# Allegro board RK3588S_Tablet_Demo_LP4XD200P232SD10H2_V11_20220218.brd (continued)
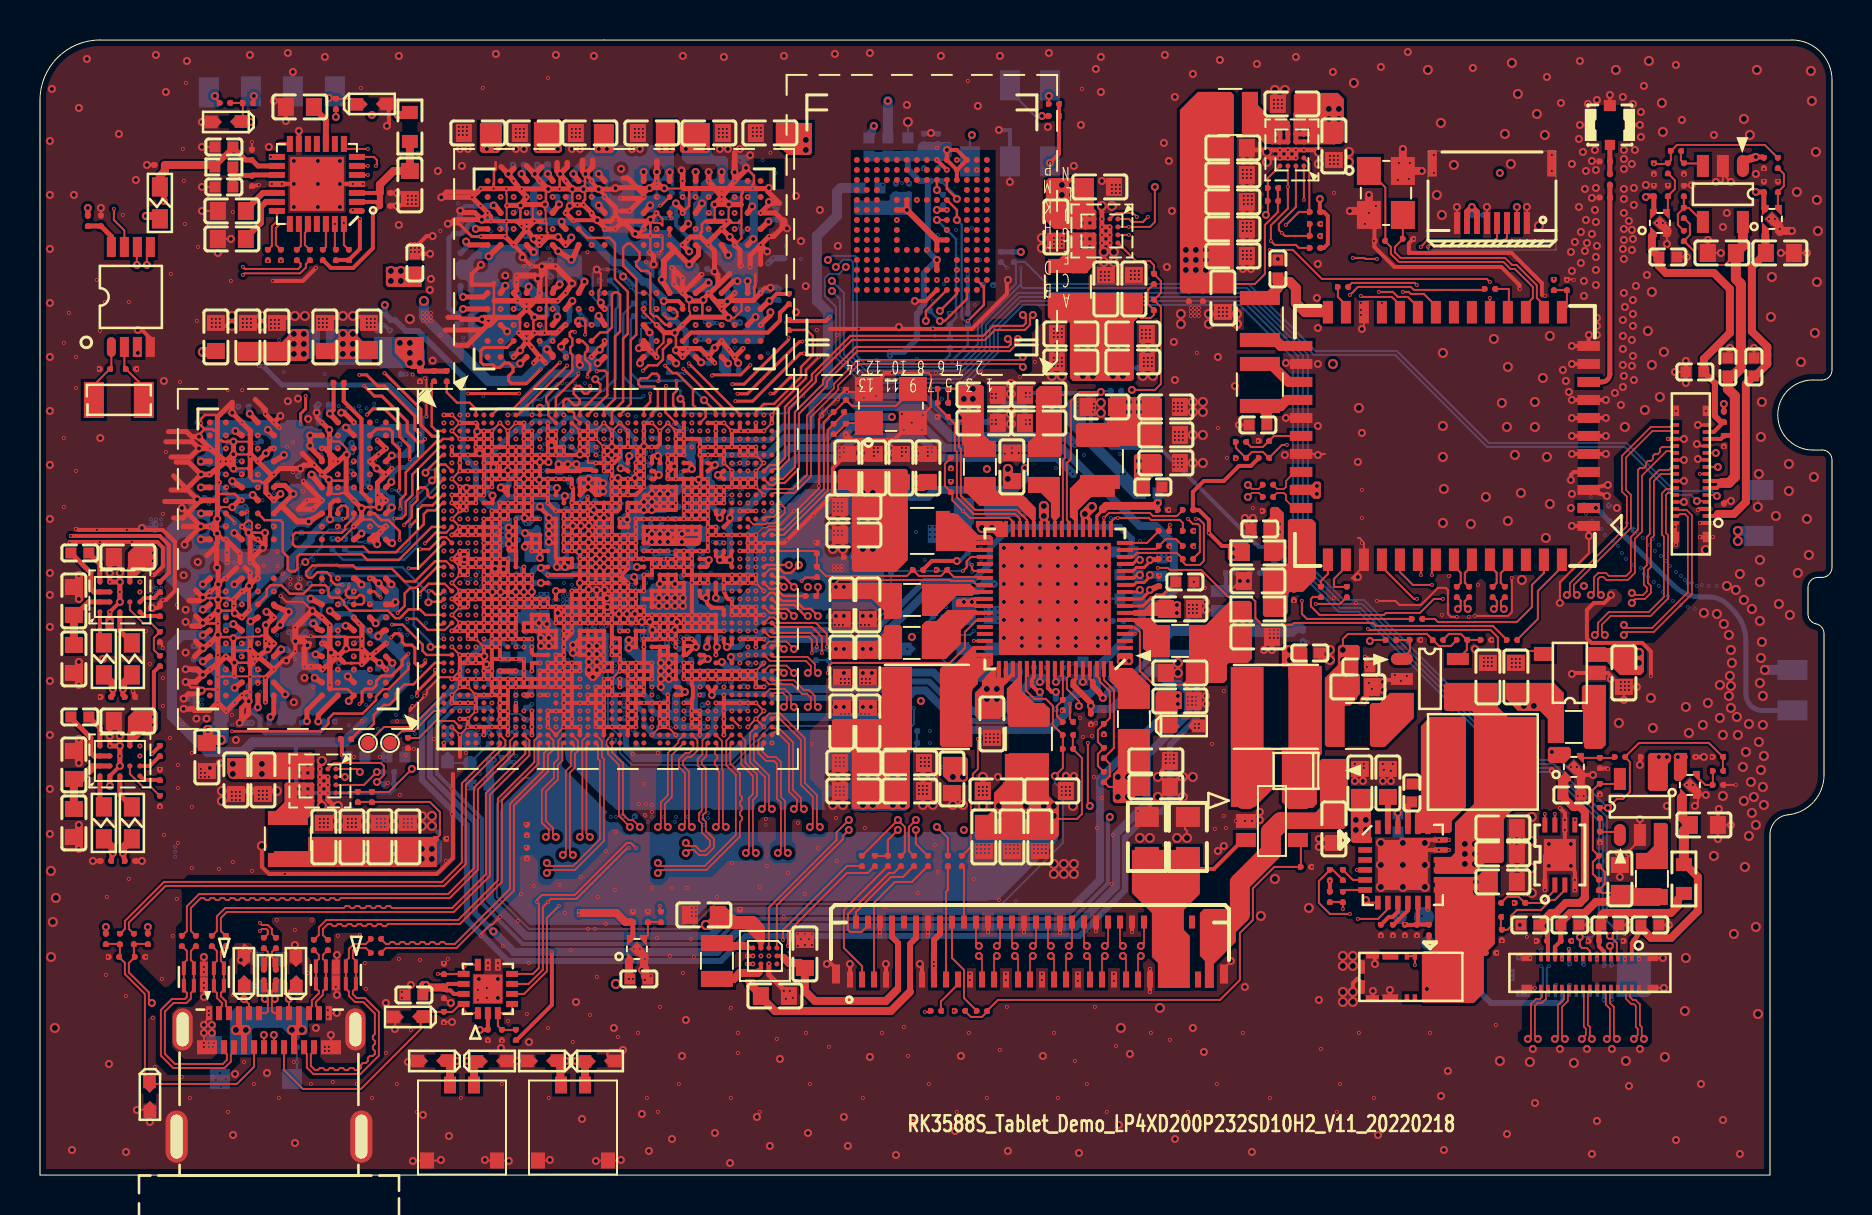
[diagram p0: board, top side]
## Routing (per net, layer and track width the routed paths; a pad name or vN(x,y) marks a point on that pad's centre or on a via; arc(x,y) is an arc through that point) (continued)
  TOP w0.127: v5(26.62,49.29) 26.62,48.58 26.54,48.5 ; 11.29,34.63 11.09,34.63 11.02,34.69 10.66,34.69 10.52,34.84 10.52,34.94 ; v5(31.8,41.24) 31.8,42.03 31.74,42.08 v5(31.74,42.12) ; 8.23,37.29 7.99,37.05 7.99,36.96 v5(7.95,36.91) ; 8.23,37.29 8.62,37.29 8.69,37.23 8.87,37.23 ; 8.23,37.29 8.04,37.48 v1(8.04,37.59) 8.04,37.8 8.24,38 8.76,38 8.87,37.9 ; v6(16.09,26.82) 16.02,26.89 15.36,26.89 15.31,26.84 15.23,26.91 12.99,26.91 v5(12.77,26.69) ; v5(24.03,48.48) 24.02,48.47 24.02,47.62 ; 8.87,36.72 9.11,36.72 9.16,36.66 9.42,36.66 9.43,36.67 v5(9.67,36.67) ; v6(9.69,28.78) 9.49,28.78 9.42,28.85 8.98,28.85 v5(8.91,28.77) 8.83,28.85 8.17,28.85 v5(8.14,28.87) ; 22.7,43.69 22.72,43.71 ; 22.7,43.69 22.7,42.82 U3801.A3 ; 22.7,43.69 22.7,44.61 ; v6(23.93,42.1) 24,42.17 24,42.61 ; 15.59,25.59 16.03,25.59 v6(16.09,25.53) ; v5(25.24,48.53) 25.3,48.58 25.3,49.19 v5(25.41,49.3) ; v5(9.72,25.62) 9.73,25.61 10.57,25.61 ; v6(24.73,42.1) 24.67,42.17 24.67,42.81 24.72,42.86 v5(24.72,42.89) ; 33.35,47.68 33.24,47.68 33.1,47.54 33.1,47.17 33.03,47.11 33.03,46.9 ; v5(10.43,32.12) 10.75,32.12 10.76,32.11 v5(11.25,32.11) ; 33.12,42.89 33.12,43.7 v5(33.17,43.75) ; v5(35.3,50.36) 35.7,49.96 35.7,49.57 35.63,49.51 v1(35.63,49.32) ; 32.46,49.32 32.46,48.45 32.13,48.13 ; 24,42.97 24,42.65 ; v6(22.68,49.32) 22.68,49.55 22.7,49.57 22.7,50.18 22.78,50.27 22.78,50.64 ; v6(25.22,42.1) 25.3,42.18 25.3,42.84 25.24,42.89 25.32,42.96 25.32,45.21 v5(25.09,45.43) ; v5(8.91,28.21) 9.62,28.21 9.69,28.14 ; v5(27.28,50.05) 27.25,50.03 27.25,49.37 v5(27.17,49.29) 27.25,49.21 27.25,48.78 27.18,48.71 v6(27.18,48.5) ; 15.31,34.71 14.5,34.71 v5(14.44,34.77) ; v5(7.28,24.66) 7.56,24.38 7.93,24.38 v5(8.08,24.22) 8.15,24.29 8.62,24.29 8.64,24.28 v6(8.88,24.28) ; 15.55,25.59 15.23,25.59 ; v5(15.31,26.32) 15.33,26.32 15.39,26.26 16.03,26.26 v6(16.09,26.33) ; v5(26.01,50.05) 25.98,50.03 v1(25.98,49.3) ; v1(30.48,46.14) 30.52,46.18 v6(30.52,46.95) 30.52,47.43 30.53,47.44 v5(30.53,47.77) ; v5(8.89,27) 9.01,26.89 9.62,26.89 v5(9.67,26.84) ; v5(8.14,27.6) 8.17,27.58 v1(8.89,27.58) ; 35.72,43.79 35.72,44.39 35.76,44.43 35.76,45.02 ; 14.49,24.31 14.51,24.29 15.38,24.29 U3800.A3 ; 10.07,33.73 9.74,34.05 8.87,34.05 ; v5(16.96,33.39) 16.17,33.39 16.11,33.34 v5(16.08,33.34) ; 35.13,49.32 35.13,49.09 35.07,49.03 35.07,48.77 35.07,48.77 35.07,48.52
  TOP w0.15: v6(40.19,36.15) 40.34,36.15 C1060.2
  TOP w0.152: 15.59,25.59 15.55,25.59 ; 20.52,47.56 20.95,47.56 21.59,46.92 v6(22.05,46.92) ; 15.23,25.59 15.18,25.64 ; 24,42.65 24,42.61 ; 24,42.97 24.05,43.02
  TOP w0.2: 24.59,24.8 v1(24.19,24.8) 24.19,24.4 ; 24.59,24.8 24.99,24.8 24.99,24.4 ; 24.59,24.8 24.59,24.4 ; v6(32.99,33.6) 32.58,33.6 v6(32.19,33.6) ; 23.39,23.6 v1(22.99,23.6) ; 23.39,23.6 v6(23.39,23.2) ; 23.39,23.6 23.39,24 ; 82.77,20.9 v1(82.79,20.9) v5(83.19,20.9) ; 43.74,37.6 v6(44.14,38) 44.04,38 Y1100.2 ; 43.74,37.6 v6(44.09,37.25) ; 43.74,37.6 Y1100.2 ; v6(8.79,42.6) 8.79,42.45 v4(9.59,42.45) ; U1000.AF35 U1000.AG35 U1000.AJ35 33.79,26.45 v5(33.84,26.4) 33.79,26.4 v1(33.79,26) ; 10.59,49.43 C7003.2 10.64,49.45 v1(10.94,49.5) ; v1(81.79,31.5) 81.8,31.51 J4600.34 81.75,31.9 J4600.30 ; v6(27.39,28) v6(26.59,28) 26.59,28.8 ; 42,12.65 42,12.16 v1(41.99,12.15) v1(41.99,11.95) ; v5(76.59,37.85) U6300.7 v5(78.29,37.85) ; v1(55.49,10.3) 55.5,10.3 J5500.51 55.5,9.16 v1(55.49,9.15) ; v6(35.79,34.8) v1(35.39,34.8) ; v6(35.79,34.8) v6(35.79,34.4) v6(35.39,34.4) ; v6(35.79,34.8) v1(35.79,35.2) ; v1(35.39,34.8) v1(34.99,34.8) v6(34.99,34.4) v6(35.39,34.4) ; v1(35.39,34.8) v6(35.39,34.4) ; v6(35.79,31.6) v1(35.79,32) v1(35.39,32) ; v6(35.79,31.6) v6(35.39,31.6) ; v6(35.79,31.6) v6(36.19,31.6) ; v6(35.79,31.6) v6(35.79,31.2) ; v1(22.59,22.4) 22.19,22.4 ; 22.19,22.4 v6(21.79,22.4) ; 22.19,22.4 v1(22.19,22) ; v6(40.89,39.45) 41.29,39.45 Y1100.4 ; v6(32.59,24.8) v1(32.19,24.8) v3(32.19,25.2) ; v6(32.59,24.8) v6(32.99,24.8) ; v6(32.59,24.8) 32.59,24.47 32.64,24.42 32.64,23.85 32.59,23.8 32.59,23.6 ; v6(32.59,24.8) v6(32.59,25.6) v1(32.19,25.6) v3(32.19,25.2) ; v6(35.39,31.6) v1(35.39,32) ; v6(35.39,31.6) v6(35.39,31.2) ; v1(35.39,32) v1(34.99,32) ; v1(24.59,28.8) v1(24.19,28.8) ; v1(24.59,28.8) v1(24.99,28.8) ; v1(24.59,28.8) v5(24.59,29.15) ; v1(24.59,28.8) v1(24.59,28.4) v1(24.99,28.4) ; v5(27.86,47.74) 26.69,47.74 v6(26.67,47.72) ; 68.14,16.25 v4(68.14,16.6) 68.14,16.75 v1(69.94,16.75) v1(70.44,16.75) ; 68.14,16.25 v1(69.94,16.25) v1(70.44,16.25) ; 68.14,16.25 v4(68.14,15.5) ; v1(52.79,12.2) 52.8,12.21 52.8,12.65 ; v6(33.39,32.4) v6(33.39,32.8) v6(33.39,33.2) ; v6(33.39,32.4) v1(33.79,32.4) ; v6(33.39,32.4) v6(33.39,32) ; v1(82.99,32.6) J4600.1 v1(83.64,32.6) ; Y1100.2 v6(43.59,37.6) 43.54,37.6 v6(43.19,37.25) 42.69,36.75 40.59,36.75 40.32,37.03 40.29,37.03 v6(40.29,37) 40.29,36.85 ; Y1100.2 43.19,38.05 v6(43.09,38.05) ; v1(48.29,10.05) 48.3,10.05 J5500.27 48.29,9.77 v1(48.29,9.75) ; C1060.2 39.64,35.35 39.64,34.04 37.21,31.6 v6(36.19,31.6) ; v1(23.79,28) 23.79,27.59 ; 23.79,27.59 v6(23.79,27.2) ; 23.79,27.59 v1(23.39,27.59) ; v5(77.64,20) 77.17,20 77.07,19.9 ; v6(32.19,34.4) v1(32.19,32.8) ; v6(33.79,36.4) v6(34.19,36.4) ; v1(34.59,30) v1(34.99,30) ; v1(34.59,30) 34.19,30 ; v1(34.59,30) v1(34.59,29.6) v1(34.99,29.6) ; v1(34.99,30) v6(35.39,30) ; v1(34.99,30) v1(34.99,29.6) ; v4(57.64,38.15) 56.99,38.15 C2237.2 56.99,38.65 v4(57.64,38.65) ; v5(78.29,38.75) U6300.8 v5(76.59,38.75) ; v1(32.19,31.2) v1(32.19,30.4) v6(32.19,30) 32.99,30 ; v6(26.19,32.8) v6(26.19,32.4) ; v6(26.19,32.8) v6(26.19,33.2) ; v6(26.19,32.8) v6(26.59,32.8) ; v6(26.19,32.4) v5(26.64,32.45) ; v6(26.19,32.4) v6(26.19,32) ; 37.44,9 37.44,9.15 v6(37.49,9.2) ; v6(30.19,24.4) 30.19,25.39 v1(30.19,26.4) ; v6(30.19,24.4) v6(30.19,24) 29.61,24 v1(28.99,24) ; v6(30.19,24.4) v1(29.79,24.4) ; v6(34.99,28) v6(34.59,28) 34.59,28.42 v6(34.59,28.8) 34.39,28.8 34.33,28.87 v6(34.19,29.2) v6(34.19,29.6) 34.19,30 ; v6(34.99,28) v6(35.39,28) ; v6(34.99,28) v6(34.99,28.4) ; 24.19,24.4 24.59,24.4 ; 24.19,24.4 v6(23.79,24.4) ; 24.59,24.4 24.99,24.4 ; v1(33.39,24.8) v6(32.99,24.8) ; v6(32.99,24.8) v6(32.99,25.2) ; Y6300.2 66.72,48 66.72,46.4 67.72,45.4 73.07,45.4 73.97,44.5 73.97,44.3 ; v1(51.89,10.05) 51.9,10.05 J5500.39 51.89,9.77 v1(51.89,9.7) ; v5(19.5,46.06) 18.74,46.06 v6(18.74,46.15) v6(18.74,46.35) 18.74,46.36 18.74,46.36 19.33,46.95 v5(19.63,46.95) ; C9613.2 v6(37.19,9.2) ; C9613.2 37.54,8.95 v6(37.64,8.85) ; C9613.2 v6(37.29,8.8) ; v6(32.99,25.2) v1(33.39,25.2) ; v6(32.99,25.2) v6(32.59,25.2) v3(32.19,25.2) ; 80.02,20.9 80.02,20.53 v5(79.99,20.5) ; v1(25.39,28.4) v1(24.99,28.4) ; v1(24.99,28.4) v1(24.99,28.8) ; v6(34.19,22.4) v6(34.59,22.4) ; v6(34.19,22.4) v6(34.19,22.8) v6(34.19,23.2) v1(34.19,24) ; v6(34.19,22.4) v6(34.19,22) ; 32.99,30 v6(32.99,29.6) ; 32.99,30 33.39,30 ; v6(32.99,29.6) v6(33.39,29.6) 33.39,30 ; v6(32.99,29.6) v6(32.59,29.6) ; Y1100.4 41.44,39.55 v6(41.49,39.6) ; Y1100.4 41.79,39.3 42.14,40 42.24,40.1 v6(42.59,40.1) ; Y1100.4 41.19,39.05 v6(41.19,38.85) ; v6(34.99,13.3) 34.99,13.28 ; 30.59,25.2 v6(30.59,25.6) v1(29.79,25.6) ; 30.59,25.2 v1(30.59,24.8) v1(29.79,24.8) ; 30.59,25.2 v1(29.79,25.2) ; U6300.4 76.69,35.15 76.54,35 v5(76.54,34.75) ; v6(31.39,22.8) v6(31.39,22.4) v1(30.99,22.4) v1(30.99,22.8) ; v6(31.39,22.8) v6(31.39,23.2) ; v6(31.39,22.8) v1(30.99,22.8) ; v4(15.14,42.95) 15.14,42.87 14.24,42.87 C3808.2 ; v1(50.09,10.05) 50.1,10.05 J5500.33 50.09,9.77 v1(50.09,9.75) ; v6(35.39,28) v6(35.39,28.4) ; v6(35.39,28) v6(35.79,28) ; U1000.J31 32.59,34.8 ; 32.59,34.8 v1(32.59,34.4) ; 32.59,34.8 32.9,34.8 v5(32.93,34.77) 33.07,34.9 33.07,35.93 v1(32.99,36) ; v1(35.39,29.6) v6(35.79,29.6) v6(35.79,30) v6(35.39,30) ; v1(35.39,29.6) v6(35.39,30) ; v1(35.39,29.6) v1(34.99,29.6) ; v1(31.79,30.8) v1(31.79,31.2) ; v1(31.79,30.8) v1(31.79,30.4) ; v1(31.79,30.8) 31.81,30.82 v6(32.59,30.82) ; v1(31.79,30.8) v6(31.39,30.8) ; v6(33.39,31.2) v6(33.39,31.6) v6(33.39,32) ; U4000.A6 44.29,43.7 v5(43.74,43.7) ; v5(11.69,53.7) 12.14,53.7 12.29,53.55 C7015.2 v5(12.29,52.7) ; v5(78.54,29) 78.54,28.94 78.21,28.6 77.69,28.6 77.34,28.25 77.34,26.84 77.58,26.6 80.11,26.6 80.54,26.17 v1(80.54,24.95) ; v1(30.59,30.4) 30.59,30 v6(30.19,30) v6(30.19,29.2) ; v6(82.89,33.25) 82.94,33.3 J4600.3 ; v6(35.39,28.4) v6(34.99,28.4) ; v6(35.39,28.4) v6(35.79,28.4) v6(35.79,28) ; v6(35.79,26.8) v6(35.79,26.4) ; v6(35.79,26.8) v6(36.19,26.8) ; v6(35.79,26.8) v6(35.39,26.8) v6(34.99,26.8) ; v1(45.34,50.25) v1(44.84,50.75) ; v6(35.79,23.6) v6(35.39,23.6) v1(34.99,23.6) 34.78,23.6 v1(33.79,23.6) ; v6(26.19,33.2) v6(25.79,33.2) v6(25.39,33.6) v1(25.39,34) ; v6(26.19,33.2) v1(26.59,33.2) ; v1(24.99,28.8) v6(25.39,28.8) ; v6(33.39,32) v1(33.79,32) ; U2000.1 75.24,15.95 75.29,16 U2000.9 ; C7006.2 18.49,48.5 17.54,48.5 v5(17.84,48.45) 17.52,48.45 ; v1(32.79,12.95) v1(32.79,13.15) ; v5(66.19,23.75) 66.34,23.9 66.34,24.4 C2326.2 66.59,24.35 67.14,24.35 v5(67.14,24.25) ; v6(34.99,24.8) v6(34.99,25.2) ; v6(34.99,24.8) v6(35.39,24.8) ; v6(34.99,24.8) v6(34.59,24.8) ; v6(34.99,25.2) 35.18,25.2 v6(35.79,25.2) v6(35.79,24.8) ; v6(34.99,25.2) v6(34.59,25.2) v6(34.59,24.8) ; 3.02,15.7 v5(2.64,15.7) ; 54.6,12.65 54.6,12.16 v1(54.59,12.15) ; v5(83.94,18.3) 83.89,18.25 C4704.2 ; v6(32.99,22.4) v6(32.59,22.4) v6(32.59,22.8) v6(32.99,22.8) v6(32.99,22.4) ; v6(32.99,22.4) v6(32.99,22) ; v1(83.64,31.9) 83.64,31.9 83,31.9 v1(82.99,31.9) ; J4600.18 v1(81.39,36.8) ; v5(77.44,42) 77.43,41.99 U6300.11 v5(76.59,41.45) ; C2228.2 56.19,20.7 56.19,20.35 v4(55.89,19.9) ; v1(22.59,26.8) v1(22.99,26.8) v1(22.99,26.4) ; v1(22.59,26.8) v1(22.59,26.4) ; v1(22.59,26.8) v1(22.59,27.2) ; v5(76.59,32.45) U6300.1 77.43,31.96 v5(77.44,31.95) ; v1(29.79,24.8) v1(29.79,25.2) ; v1(29.79,24.8) v6(29.39,24.8) ; v1(29.79,24.8) v1(29.79,24.4) ; 47.4,12.65 47.4,12.16 v1(47.39,12.15) ; v1(34.19,36) 34.21,36 34.21,36.4 ; v6(35.39,31.2) v6(34.99,31.2) ; v6(35.39,31.2) v6(35.79,31.2) ; v1(35.34,10.95) v1(35.64,10.95) ; v1(27.59,42.5) U3801.J3 ; v1(23.39,33.2) v7(23.79,33.2) ; v1(23.39,33.2) v1(23.39,33.6) ; v1(23.39,33.2) v1(22.99,33.2) ; v1(23.39,33.2) v6(23.39,32.8) ; v7(23.79,33.2) v1(24.19,33.2) ; v7(23.79,33.2) 23.79,33.44 v1(23.79,33.6) ; C2327.2 v6(66.34,25.4) 66.32,25.4 66.32,25.78 66.34,25.85 v6(66.24,25.9) ; 22.59,25.8 v1(22.59,26.4) ; 22.59,25.8 v1(22.59,25.2) ; 22.59,25.8 v1(22.99,25.8) ; v1(22.59,26.4) v1(22.19,26.4) ; v1(22.59,26.4) v1(22.99,26.4) ; v6(35.39,24.8) v6(35.39,25.2) ; v6(35.39,24.8) v6(35.79,24.8) ; C2504.2 66.14,20.3 v5(66.14,19.7) ; BT2000.16 66.67,10.97 66.74,10.9 v5(66.74,10.55) ; C4603.2 v5(84.19,38.55) ; C2505.2 67.54,20.3 v6(67.54,20.2) v5(67.54,19.7) ; 17.23,53.55 17.44,53.34 17.44,52.55 v5(17.34,52.45) ; v1(22.59,25.2) v1(22.59,24.8) v1(22.19,24.8) ; v1(22.59,25.2) v1(22.19,25.2) ; v6(35.79,24.8) v9(35.79,24.4) v6(36.19,24.4) ; BT2000.15 66.05,10.45 v4(65.64,10.45) ; v1(22.59,27.2) v1(22.59,27.6) ; v1(22.59,27.2) v6(22.99,27.2) ; v1(22.59,27.2) v1(22.22,27.2) ; U2000.9 76.24,16.25 v1(76.24,17.25) v1(76.24,17.75) 76.24,18.1 v1(75.99,18.35) ; U2000.9 76.69,16 76.69,15.3 76.74,15.1 v1(76.74,14.75) ; v5(26.99,29.6) v6(26.99,30.4) ; v5(26.99,29.6) v1(27.39,29.6) v6(27.39,30) ; v5(26.99,29.6) v1(26.99,29.2) v1(26.99,27.6) ; v5(5.59,28.35) 5.89,28.35 C9625.1 5.99,28.6 v1(6.14,28.75) 6.29,28.75 6.74,29.2 6.74,31.65 6.14,32.25 v1(4.34,32.25) v1(2.84,32.25) 1.94,32.25 v1(1.79,32.3) ; v4(65.64,9.15) 65.64,9.59 65.87,9.81 66.09,9.59 BT2000.14 ; v1(26.59,29.2) 26.59,28.8 ; 26.59,28.8 v6(27.39,28.8) ; v1(24.19,25.2) v6(24.19,25.8) v6(23.79,25.8) v6(23.39,25.8) v1(22.99,25.8) ; v6(29.39,22.8) v6(29.79,22.8) ; J5500.62 39.8,10.32 39.53,10.6 39.39,10.6 v5(39.34,10.55) ; v1(29.79,25.6) v1(29.79,25.2) ; v1(29.79,25.6) v6(29.39,25.6) ; 61.12,33.2 v6(61.09,33.2) ; v5(78.54,24.8) 78.54,24.95 78.39,25.1 U7003.2 76.64,25.1 v5(76.59,25.05) ; 26.59,23.2 26.59,24 ; 26.59,24 v1(26.19,24) ; 26.59,24 26.59,24.8 ; v5(67.49,9.25) 67.49,8.86 BT2000.5 ; U7000.13 v5(12.94,52.2) ; 30.99,23.2 v6(31.39,23.2) ; 30.99,23.2 v1(30.99,22.8) ; 30.99,23.2 v1(30.99,23.6) ; v6(31.39,23.2) v1(31.39,23.6) ; v1(29.79,24.4) U1000.AU25 v6(30.59,23.6) v1(30.99,23.6) ; v1(29.79,24.4) v6(29.39,24.4) ; v5(63.94,16.8) 64.69,16.8 C5607.2 64.69,16.4 v5(63.94,16.4) ; v5(40.49,10.55) 40.5,10.55 J5500.1 ; v6(29.39,24.8) v6(29.39,25.2) v6(29.39,25.6) ; v6(29.39,24.8) v6(29.39,24.4) ; v4(64.49,25.75) 64.12,25.93 63.94,25.93 C5609.2 63.94,26.25 v4(64.49,26.25) ; v5(42.29,10.55) 42.3,10.65 J5500.7 ; 32.59,23.6 v1(32.19,23.6) ; 32.59,23.6 v1(32.59,23.2) ; v1(25.39,30) v6(27.39,30) ; v6(27.39,30) v6(28.59,30) ; v6(34.59,24.8) 34.19,24.8 ; v6(26.59,31.2) v6(26.19,31.2) v6(26.19,31.6) ; v4(57.64,35.6) v6(57.09,35.6) C2236.2 ; BT2000.13 66.64,8.83 v5(66.64,9.2) ; v4(55.89,18.9) 55.49,18.5 55.49,17.9 R5609.2 ; v6(22.59,24) v1(22.19,24) ; 75.09,44 75.09,44.59 73.58,46.1 68.44,46.1 68.44,46.58 68.67,46.8 ; v1(26.59,25.2) 26.59,24.8 ; 26.59,24.8 v1(26.19,24.8) ; v4(74.09,15.35) 74.09,14.65 C2509.2 ; 44.4,12.65 44.4,12.16 v1(44.39,12.15) v1(44.39,11.95) ; v5(4.89,42.25) 5.09,42.25 5.52,41.83 5.52,41.4 ; v6(32.59,29.6) v1(32.59,28) ; v6(32.59,29.6) v1(32.59,30.4) ; v5(3.99,28.65) v1(3.49,28.15) ; v6(36.19,31.6) v6(36.19,31.2) v6(35.79,31.2) ; v1(29.79,25.2) v1(28.99,25.2) ; v1(22.59,30) v6(22.59,30.8) ; v6(29.39,25.6) v1(28.99,25.6) ; v5(17.84,49.1) 17.52,49.1 ; C2227.2 56.49,19.62 v4(57.14,19.9) ; v5(78.39,34.5) 77.89,34.4 77.43,34.4 U6300.3 77.45,34.25 v5(78.34,33.95) ; 49.2,12.65 49.2,12.16 v1(49.19,12.15) ; v5(67.14,24.65) 67.19,24.65 67.34,24.75 68.09,24.75 U2303.2 ; v6(11.59,49.55) U7000.18 v6(12.09,49.55) v5(12.69,49.55) U7000.29 v5(13.89,49.55) v5(14.99,49.55) v6(15.64,49.55) U7000.4 v6(16.14,49.55) ; v6(26.19,32) v6(26.19,31.6) ; v6(26.19,32) U1000.T17 ; v6(26.19,31.6) v6(26.59,31.6) ; v1(22.99,26.4) v1(22.99,25.8) ; J9.4 v5(76.99,52.5) ; v5(10.46,29.46) 10.46,28.29 v6(10.48,28.27) ; v1(33.79,24.8) 34.19,24.8 ; 34.19,24.8 34.19,25.2 ; 51,12.65 51,12.11 v1(50.99,12.1) ; v5(82.29,40.7) C4602.2 v5(82.29,39.6) ; v1(27.39,28.4) v1(26.19,28.4) ; v6(35.79,28) v6(36.19,28) ; v6(35.79,28) v6(35.79,27.6) ; 34.19,30 33.39,30 ; v6(34.99,28.4) v1(34.59,28.4) ; v4(12.74,42.95) 12.74,42.87 11.84,42.87 C3826.2 ; v1(53.69,10.05) 53.7,10.05 J5500.45 53.69,9.77 v1(53.69,9.7) ; 20.99,20.9 v1(20.99,22) ; v1(32.59,32.8) v6(32.59,34) v6(32.19,34) ; v5(48.39,44.75) 48.34,44.6 48.34,44.05 46.59,42.3 v6(44.64,42.3) v6(40.94,42.3) 39.49,42.3 ; U7004.B1 v5(3.99,20.45) ; 57.24,17.9 R5613.2 57.64,17.9 ; v6(32.99,33.2) v6(32.59,33.2) v6(32.19,33.2) ; v6(29.39,24.4) v1(29.39,23.6) ; v4(57.64,37) C2283.2 ; v1(25.39,24.42) 25.38,24.4 24.99,24.4 ; v5(60.24,32.85) 60.24,32.6 C6319.2 60.74,32.1 60.59,32.1 60.59,32.85 v5(60.64,32.85) ; v4(15.64,42.95) 16.09,42.9 16.44,42.9 C3809.2 ; 46.89,16.5 C2232.2 ; J5500.13 44.1,10.45 v5(43.99,10.55) ; v6(26.19,23.6) v6(26.99,23.6) ; v5(76.59,36.95) U6300.6 v5(78.29,36.95) ; v5(79.99,52.5) J9.3 ; v6(31.39,30.8) v1(31.39,30.4) ; v6(31.39,30.8) v6(31.19,30.8) 30.99,30.8 ; v5(78.49,54) J9.2 ; v1(23.39,36.4) U1000.E8 v1(22.59,36.4) ; v1(30.99,23.6) v1(31.39,23.6) ; v1(31.39,23.6) v1(31.39,24) ; v6(13.79,45.35) 13.14,44.7 v1(11.64,44.7) ; v6(35.79,33.2) v6(35.39,33.2) v6(34.99,33.2) ; v1(5.59,30) 5.71,30 6.14,30.43 6.14,31.37 5.86,31.65 v1(4.59,31.65) v1(2.99,31.65) 1.49,31.65 v1(1.49,31.6) ; v1(28.19,29.6) v5(28.19,30.4) ; v5(61.59,26.25) C2239.2 ; 20.19,21.3 v1(20.19,21.6) ; v5(27.79,30.4) v1(27.79,29.6) ; v1(46.49,10.05) 46.5,10.05 J5500.21 46.49,9.77 v1(46.49,9.75) ; v1(4.64,24.2) 4.74,23.95 C9627.2 4.77,23.9 ; v5(78.29,36.05) U6300.5 v5(76.59,36.05) ; 20.64,20.05 20.64,15.85 19.84,15.05 11.45,15.05 11.09,15.41 v4(11.09,16.45) ; C3827.2 10.39,42.45 v4(11.09,42.45) ; v5(76.59,40.55) U6300.10 ; 77.99,20.33 78.37,20.33 v1(78.39,20.3) ; v1(45.34,48.25) v5(44.84,48.25) ; 5.72,50.5 v5(5.34,50.5)